# Altium PCB PCB1.PcbDoc
Units mm, origin at the board's own origin, x right, y up, seen from the top; angles counter-clockwise.
Board outline 94.61 x 50.93 mm, 2 copper layers (Top Layer, Bottom Layer); 65 components, 82 nets, 319 pads, 98 vias.
Unrouted connection lines stored in the file: 1.
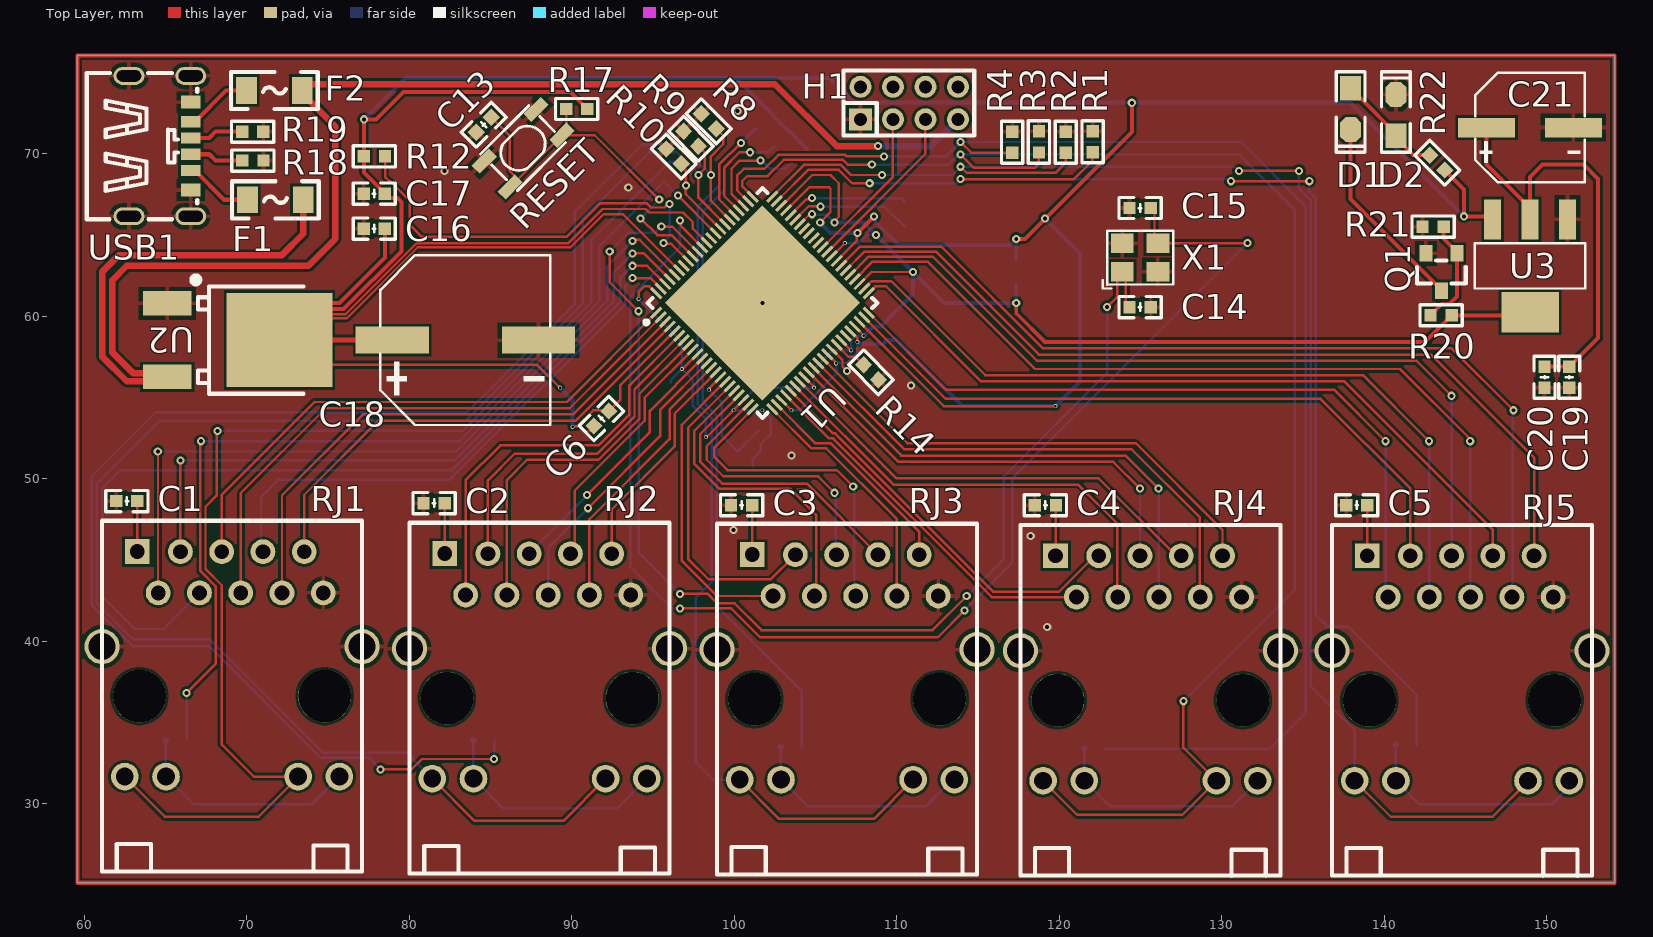
[diagram p0: Top Layer view]
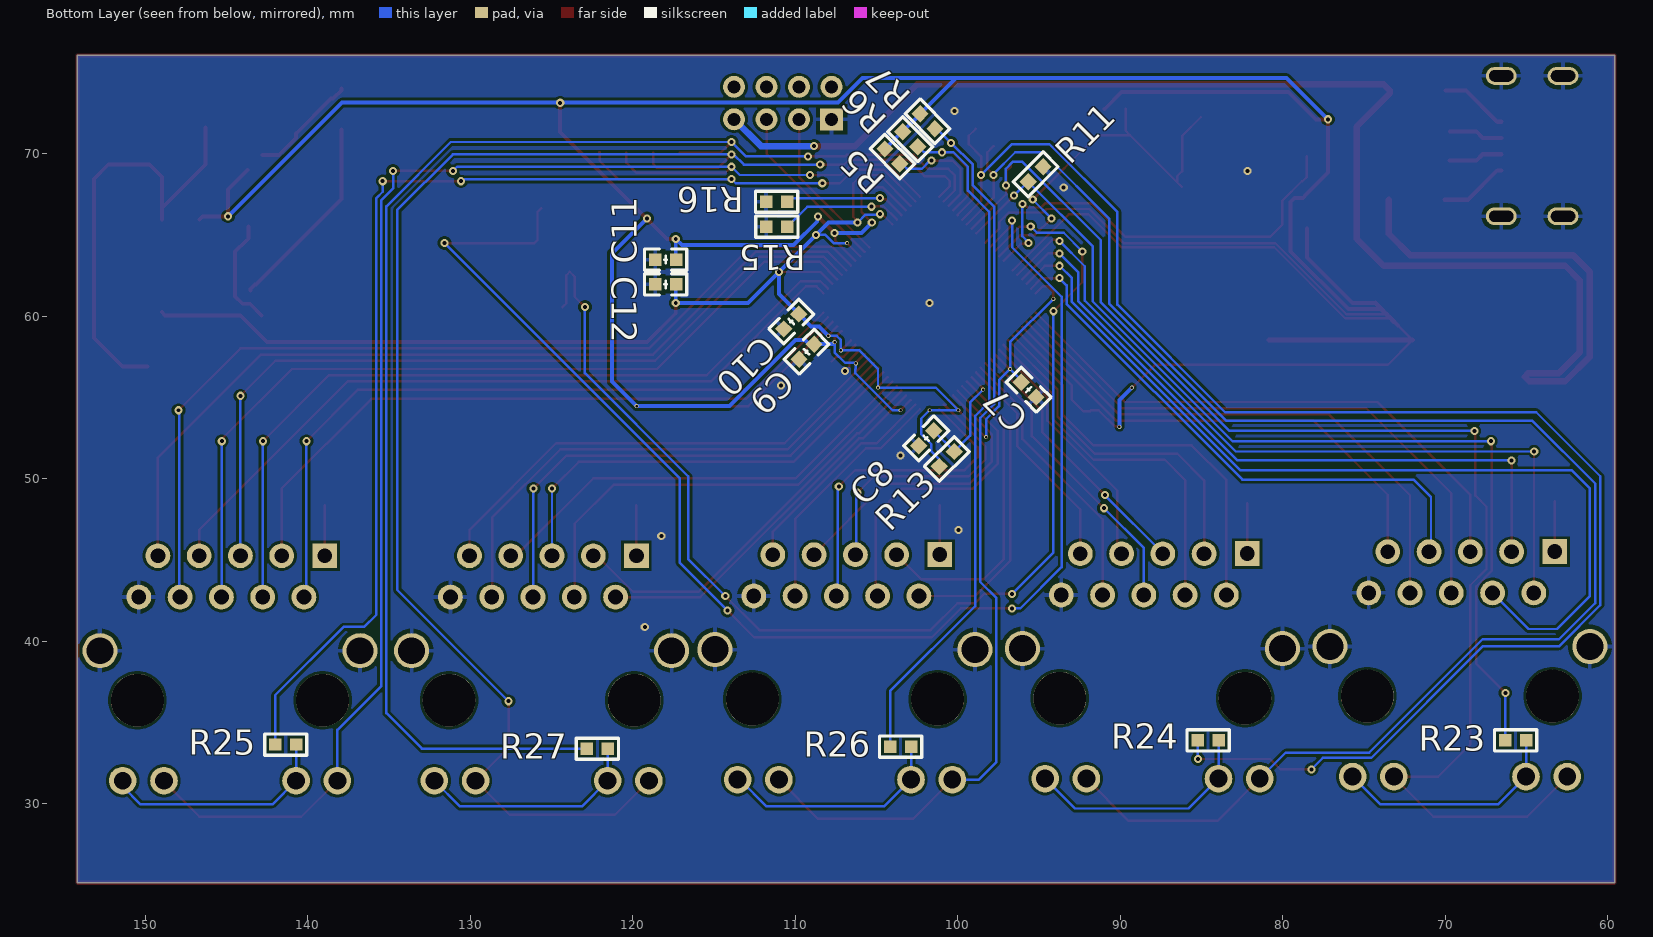
[diagram p1: Bottom Layer view, seen from below]
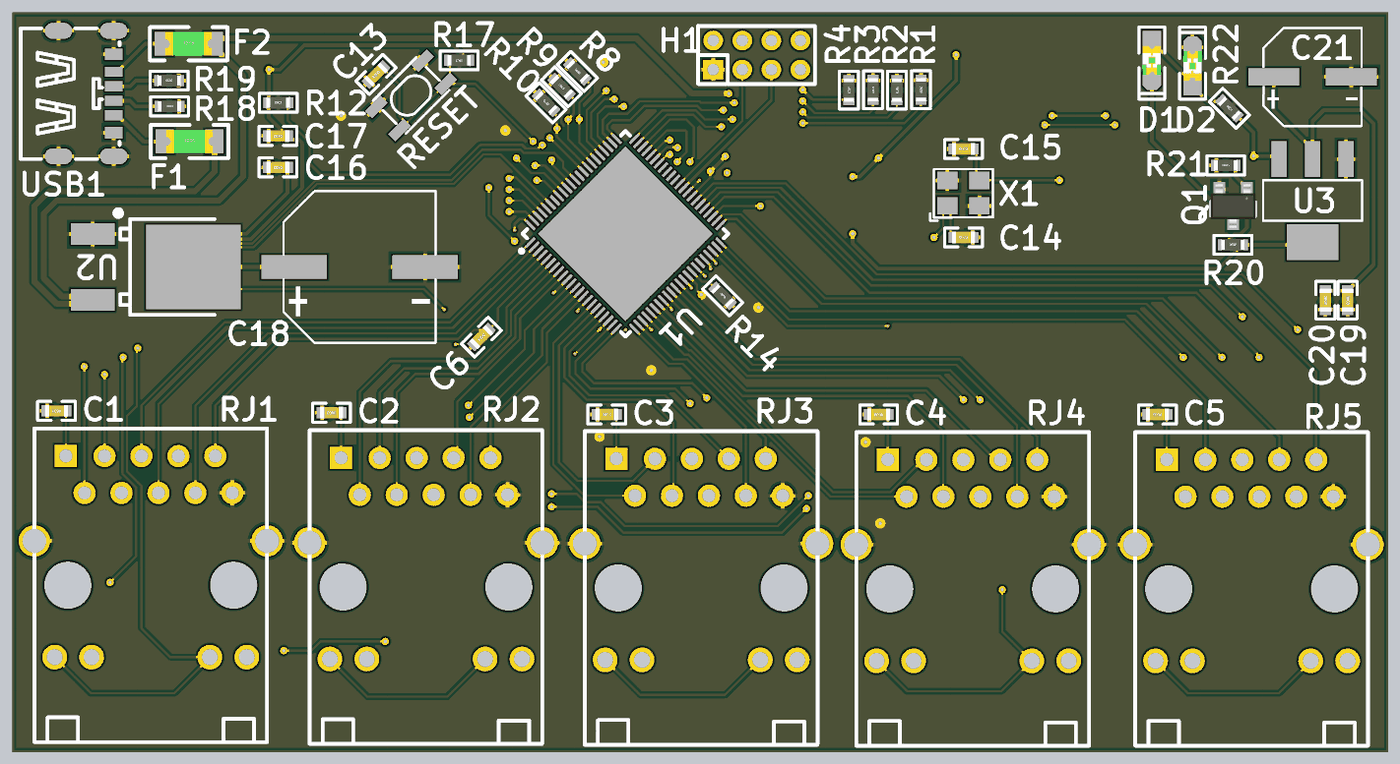
[diagram p2: 3D render of the assembled board from above, using the file's embedded part models]
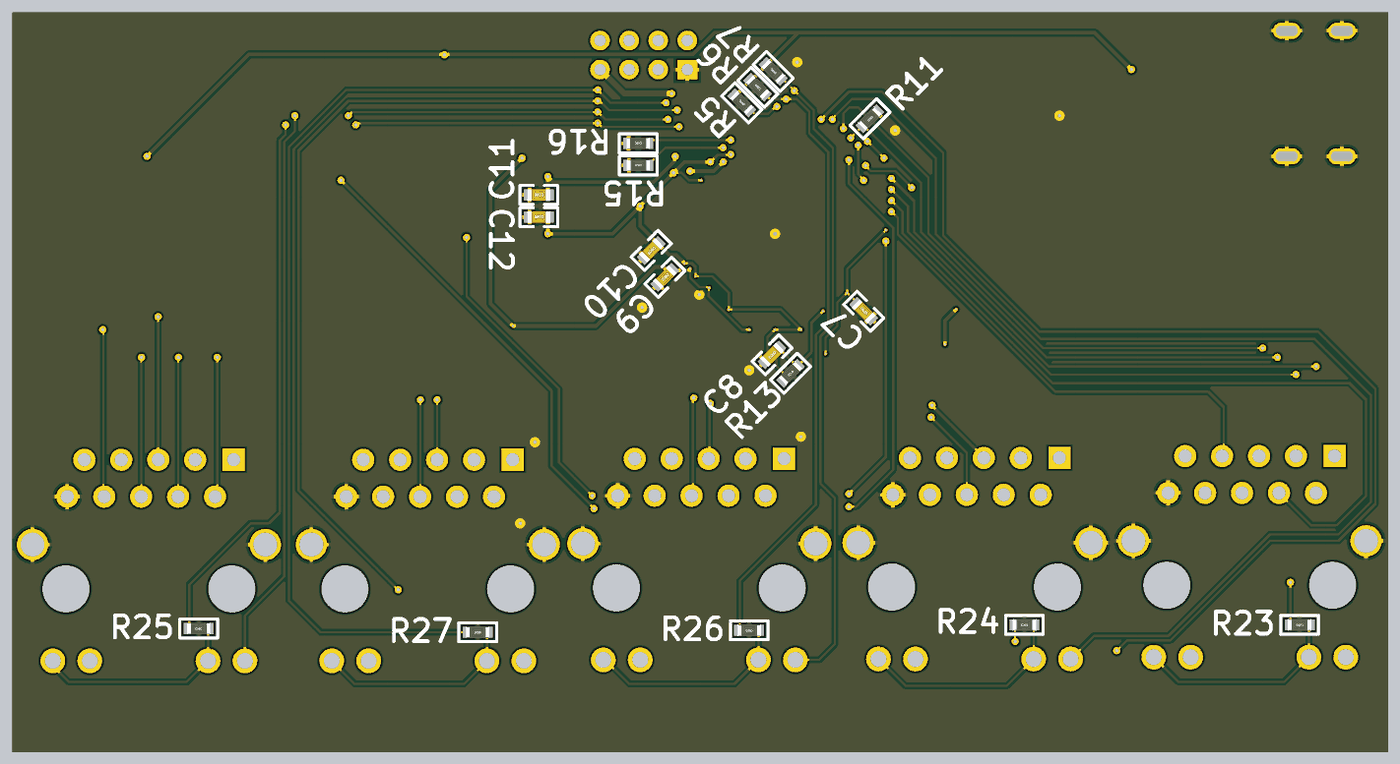
[diagram p3: 3D render of the assembled board from below, using the file's embedded part models]

## Layer stack, top to bottom
Top Solder: solder mask 0.0102, Solder Resist, Dk 3.5
Top Layer: signal copper 0.0356
Dielectric 1: dielectric 0.32, FR-4, Dk 4.8
Bottom Layer: signal copper 0.0356
Bottom Solder: solder mask 0.0102, Solder Resist, Dk 3.5

## Board outline
59.563,25.146 59.563,76.073 154.178,76.073 154.178,25.146

## Design rules (kind name [scope] priority, off if disabled: settings)
Clearance [All] p1: gap=0.16 ignorepadtopadclearanceinfootprint=FALSE
HoleToHoleClearance [All] p1: gap=0.1 allowstackedmicrovias=TRUE
MinimumSolderMaskSliver [All] p1: minsoldermaskwidth=0.01
PolygonConnect PolygonConnect_1 [All vs ISVIA] p1: connectstyle=Direct reliefconductorwidth=0.254 reliefentries=4 polygonreliefangle="90 Angle" airgapwidth=0.254
PolygonConnect [All] p2: connectstyle=Relief reliefconductorwidth=0.254 reliefentries=4 polygonreliefangle="90 Angle" airgapwidth=0.254
RoutingVias [All] p1: holewidth=0.315 width=0.605 viastyle="Through Hole" minholewidth=0.315 minwidth=0.605 maxholewidth=0.315 maxwidth=0.605
SilkToSilkClearance [All] p1: silktosilkclearance=0.01
SilkToSolderMaskClearance [IsPad] p1: minsilkscreentomaskgap=0.01 clearancetoexposedcopper=TRUE
SolderMaskExpansion [All] p1: expansion=0.102 istentingtop=FALSE
Width WidthVCC3V [InNet('VCC3V3')] p1: maxlimit=0.3 minlimit=0.15 preferedwidth=0.245
Width WidthVCC5V [InNet('VCC5V')] p2: maxlimit=0.4 minlimit=0.15 preferedwidth=0.245
26 further rules are at their usual default settings.

## Components (designator, comment, footprint, x,y, rotation, side; value= is the part's Value field where it differs from the comment)
C1 "C 0603_L" "C 0603_L" 62.611,48.641 r180 top value=10nF
C2 "C 0603_L" "C 0603_L" 81.519,48.514 r180 top value=10nF
C3 "C 0603_L" "C 0603_L" 100.442,48.387 r180 top value=10nF
C4 "C 0603_L" "C 0603_L" 119.141,48.387 r180 top value=10nF
C5 "C 0603_L" "C 0603_L" 138.303,48.387 r180 top value=10nF
C6 "C 0603_L" "C 0603_L" 91.821,53.721 r225 top value=100nF
C7 "C 0603_L" "C 0603_L" 95.631,55.499 r225 bottom value=100nF
C8 "C 0603_L" "C 0603_L" 101.933,52.499 r315 bottom value=100nF
C9 "C 0603_L" "C 0603_L" 109.299,57.833 r315 bottom value=100nF
C10 "C 0603_L" "C 0603_L" 110.236,59.69 r315 bottom value=100nF
C11 "C 0603_L" "C 0603_L" 117.968,63.5 r180 bottom value=100nF
C12 "C 0603_L" "C 0603_L" 117.968,61.976 r180 bottom value=100nF
C13 "C 0603_L" "C 0603_L" 84.578,71.803 r225 top value=100nF
C14 "C 0603_L" "C 0603_L" 124.968,60.579 r0 top value=18pF
C15 "C 0603_L" "C 0603_L" 124.968,66.675 r0 top value=18pF
C16 "C 0603_L" "C 0603_L" 77.836,65.405 r180 top value=100nF
C17 "C 0603_L" "C 0603_L" 77.836,67.564 r180 top value=10nF
C18 "SMD,10x10.2mm 220uF" CAP-SMD_BD10.0-L10.3-W10.3-LS11.0-FD 83.447,58.547 r0 top
C19 "C 0603_L" "C 0603_L" 151.384,56.261 r270 top value=100nF
C20 "C 0603_L" "C 0603_L" 149.86,56.261 r270 top value=10nF
C21 "SDM，6.3x5.4mm 100uF" CAP-SMD_BD6.3-L6.6-W6.6-LS7.2-FD 148.968,71.628 r0 top
D1 "805" "LED 0805G" 137.922,72.771 r270 top
D2 "805" "LED 0805G" 140.716,72.39 r90 top
F1 "1206" "FU 1206" 71.755,67.183 r0 top
F2 "1206" "FU 1206" 71.691,73.914 r0 top
H1 "2.45mm，2x4P" HDR-TH_8P-P2.00-V-M-R2-C4-S2.00-2 110.76,73.136 r0 top
Q1 "SOT-23 30V 5.2A" AO3400A 143.51,62.738 r90 top
R1 "603" "R 0603_L" 122.047,70.754 r270 top value=4.7K
R2 "603" "R 0603_L" 120.396,70.724 r270 top value=4.7K
R3 "603" "R 0603_L" 118.745,70.739 r270 top value=4.7K
R4 "603" "R 0603_L" 117.094,70.724 r270 top value=4.7K
R5 "603" "R 0603_L" 104.013,69.85 r225 bottom value=4.7K
R6 "603" "R 0603_L" 102.918,70.914 r225 bottom value=4.7K
R7 "603" "R 0603_L" 101.854,72.009 r225 bottom value=4.7K
R8 "603" "R 0603_L" 98.425,72.009 r315 top value=4.7K
R9 "603" "R 0603_L" 97.33,70.945 r315 top value=4.7K
R10 "603" "R 0603_L" 96.266,69.85 r315 top value=4.7K
R11 "603" "R 0603_L" 95.202,68.755 r315 bottom value=4.7K
R12 "603" "R 0603_L" 77.851,69.85 r0 top value=4.7K
R13 "603" "R 0603_L" 100.663,51.229 r315 bottom value=0R
R14 "603" "R 0603_L" 108.41,56.563 r315 top value=2.5K
R15 "603" "R 0603_L" 111.125,65.532 r180 bottom value=4.7K
R16 "603" "R 0603_L" 111.14,67.056 r180 bottom value=4.7K
R17 "603" "R 0603_L" 90.297,72.771 r180 top value=4.7K
R18 "603" "R 0603_L" 70.373,69.596 r0 top value=5.1K
R19 "603" "R 0603_L" 70.358,71.374 r0 top value=5.1K
R20 "603" "R 0603_L" 143.495,60.071 r0 top value=1K
R21 "603" "R 0603_L" 143.002,65.532 r0 top value=10K
R22 "603" "R 0603_L" 143.256,69.469 r315 top value=1K
R23 "603" "R 0603_L" 65.659,33.909 r0 bottom value=470R
R24 "603" "R 0603_L" 84.582,33.909 r0 bottom value=1K
R25 "603" "R 0603_L" 141.351,33.655 r0 bottom value=1K
R26 "603" "R 0603_L" 103.505,33.528 r0 bottom value=1K
R27 "603" "R 0603_L" 122.174,33.401 r0 bottom value=1K
RESET "SMD，3.3 x 4.2 x 2.5mm" SMD-3.2*4.2 86.995,70.358 r225 top
RJ1 "HR911130A" RJ45-TH_HR911130A 69.088,38.608 r180 top locked
RJ2 "HR911130A" RJ45-TH_HR911130A 88.011,38.481 r180 top locked
RJ3 "HR911130A" RJ45-TH_HR911130A 106.934,38.421 r180 top locked
RJ4 "HR911130A" RJ45-TH_HR911130A 125.603,38.354 r180 top locked
RJ5 "HR911130A" RJ45-TH_HR911130A 144.78,38.354 r180 top locked
U1 "RTL8367N-VB-CG" MQFN-88_L10.0-W10.0-P0.40-BL-EP8.5 101.727,60.833 r315 top
U2 "UZ1084G-3.3V-TN3-R" TO-252-3_L6.5-W5.8-P4.58-TL 68.552,58.547 r0 top
U3 "AP7361-10ER-13" SOT-223_L6.5-W3.5-P2.30-LS7.0-BR 148.971,63.119 r90 top
USB1 "SMD" TYPE-C-SMD_TYPE-C-6P 64.643,70.485 r270 top
X1 "SMD3225-4P 25Mhz" OSC-SMD_4P-L3.2-W2.5-BL 124.968,63.627 r0 top

## Footprints (in the part's own frame and the unit in brackets; to place one, negate y for a bottom-side part, rotate by r counter-clockwise, add the part's x,y. Pads: shape width x height; smd on the part's side, far side on the other; paste and mask are expansions set on the pad)
AO3400A [mm] "SOT-23_L2.9-W1.3-P1.90-LS2.4-BR"
  rect 1x0.8 smd mask+0.051: 1(1.15,-0.95) 2(1.15,0.95) 3(-1.15,0)
  silkscreen extent -0.7,-1.5 0.7,1.5, body extent -1.5,-1.55 1.5,1.55, height 1.25
"C 0603_L" [mil] "无极性贴片电容                                       淘宝ID:黄晶宝石"
  rect 30x30 smd: 1(-25.59,0) 2(25.59,0)
  silkscreen extent -51,-26 51,26, body extent -31,-16 31,16, height 32
CAP-SMD_BD6.3-L6.6-W6.6-LS7.2-FD [mm]
  rect 3.5x1.2 smd: 1(-2.67,0) 2(2.67,0)
  silkscreen extent -3.38,-3.38 3.38,3.38
CAP-SMD_BD10.0-L10.3-W10.3-LS11.0-FD [mm]
  rect 4.5x1.65 smd: 1(-4.5,0) 2(4.5,0)
  silkscreen extent -5.23,-5.23 5.23,5.23
"FU 1206" [mil] "贴片保险丝"
  rect 50x65 smd: 1(-67.5,0) 2(67.5,0)
  silkscreen extent -105,-45 105,45, body extent -63,-32 63,32, height 34
HDR-TH_8P-P2.00-V-M-R2-C4-S2.00-2 [mm]
  rect 1.4x1.35 hole 0.8: 1(-3,-1)
  round 1.35 hole 0.8: 2(-3,1) 3(-1,-1) 4(-1,1) 5(1,-1) 6(1,1) 7(3,-1) 8(3,1)
  silkscreen extent -4.04,-2 4,2.01
"LED 0805G" [mil] "绿色0805LED                              淘宝ID:黄晶宝石"
  rect 60x50 smd: 1(-50,0)
  oct 60x50 smd: 2(50,0)
  silkscreen extent -90,-35 105,35, body extent -39,-25 39,25, height 26
MQFN-88_L10.0-W10.0-P0.40-BL-EP8.5 [mm]
  rect 0.2x0.9 smd: 1(-4.2,-5.05) 2(-3.8,-5.05) 3(-3.4,-5.05) 4(-3,-5.05) 5(-2.6,-5.05) 6(-2.2,-5.05) 7(-1.8,-5.05) 8(-1.4,-5.05) 9(-1,-5.05) 10(-0.6,-5.05) 11(-0.2,-5.05) 12(0.2,-5.05) 13(0.6,-5.05) 14(1,-5.05) 15(1.4,-5.05) 16(1.8,-5.05) 17(2.2,-5.05) 18(2.6,-5.05) 19(3,-5.05) 20(3.4,-5.05) 21(3.8,-5.05) 22(4.2,-5.05) 45(4.2,5.05) 46(3.8,5.05) 47(3.4,5.05) 48(3,5.05) 49(2.6,5.05) 50(2.2,5.05) 51(1.8,5.05) 52(1.4,5.05) 53(1,5.05) 54(0.6,5.05) 55(0.2,5.05) 56(-0.2,5.05) 57(-0.6,5.05) 58(-1,5.05) 59(-1.4,5.05) 60(-1.8,5.05) 61(-2.2,5.05) 62(-2.6,5.05) 63(-3,5.05) 64(-3.4,5.05) 65(-3.8,5.05) 66(-4.2,5.05)
  rect 0.9x0.2 smd: 23(5.05,-4.2) 24(5.05,-3.8) 25(5.05,-3.4) 26(5.05,-3) 27(5.05,-2.6) 28(5.05,-2.2) 29(5.05,-1.8) 30(5.05,-1.4) 31(5.05,-1) 32(5.05,-0.6) 33(5.05,-0.2) 34(5.05,0.2) 35(5.05,0.6) 36(5.05,1) 37(5.05,1.4) 38(5.05,1.8) 39(5.05,2.2) 40(5.05,2.6) 41(5.05,3) 42(5.05,3.4) 43(5.05,3.8) 44(5.05,4.2) 67(-5.05,4.2) 68(-5.05,3.8) 69(-5.05,3.4) 70(-5.05,3) 71(-5.05,2.6) 72(-5.05,2.2) 73(-5.05,1.8) 74(-5.05,1.4) 75(-5.05,1) 76(-5.05,0.6) 77(-5.05,0.2) 78(-5.05,-0.2) 79(-5.05,-0.6) 80(-5.05,-1) 81(-5.05,-1.4) 82(-5.05,-1.8) 83(-5.05,-2.2) 84(-5.05,-2.6) 85(-5.05,-3) 86(-5.05,-3.4) 87(-5.05,-3.8) 88(-5.05,-4.2)
  rect 8.5x8.5 smd: 89(0,0)
  silkscreen extent -5,-6.02 5,5
OSC-SMD_4P-L3.2-W2.5-BL [mm]
  rect 1.4x1.2 smd: 1(-1.1,-0.875) 2(1.1,-0.875) 3(1.1,0.875) 4(-1.1,0.875)
  silkscreen extent -2.29,-1.9 2.03,1.65
"R 0603_L" [mil] "1/10W贴片电阻                 淘宝ID:黄晶宝石"
  rect 30x30 smd: 1(-25.59,0) 2(25.59,0)
  silkscreen extent -51,-26 51,26, body extent -31,-16 32,16, height 16
RJ45-TH_HR911130A [mil]
  round 66.93 hole 43.31: 11(260,272.62) 12(160,272.62) 13(-160,272.62) 14(-260,272.62)
  rect 60x60 hole 35.83: P1(229.63,-272.62)
  round 60 hole 35.83: P2(179.1,-172.38) P3(125.2,-272.38) P4(79.1,-172.38) P5(25.2,-272.38) P6(-20.9,-172.38) P7(-74.8,-272.38) P8(-120.9,-172.38) P9(-174.8,-272.38) P10(-220.9,-172.38)
  round 85 hole 65: SHIELD0(-315,-42.48) SHIELD1(315,-42.48)
  round 127.95 hole 127.95 unplated: ""(-224.4,77.62) ""(224.4,77.62)
  silkscreen extent -315,-347 315,503
SMD-3.2*4.2 [mm]
  rect 1.5x0.7 smd: 1(-2.25,1.125) 1(2.25,1.125) 2(-2.25,-1.125) 2(2.25,-1.125)
  silkscreen extent -2.1,-1.6 2.1,1.6, body extent -2.73,-1.6 2.47,1.58, height 1.8
SOT-223_L6.5-W3.5-P2.30-LS7.0-BR [mm]
  rect 2.465x1.05 smd: 1(2.857,-2.3) 2(2.857,0) 3(2.857,2.3)
  rect 2.465x3.54 smd: 4(-2.857,0)
  silkscreen extent -1.4,-3.4 1.4,3.4
TO-252-3_L6.5-W5.8-P4.58-TL [mm]
  rect 3x1.5 smd: 1(-3.457,2.26) 3(-3.457,-2.26)
  rect 6.5x5.8 smd: 2(3.457,0)
  silkscreen extent -1.9,-3.3 4.92,3.91
TYPE-C-SMD_TYPE-C-6P [mm]
  oval 1.1x1.9 hole 0.7 slot 1.5 at 90 deg: 7(-4.32,-1.9) 7(-4.32,1.9) 7(4.32,-1.9) 7(4.32,1.9)
  rect 0.7x1.2 smd: A5(-0.5,1.9) A9(1.5,1.9) B5(0.5,1.9) B9(-1.5,1.9)
  rect 0.8x1.2 smd: A12(2.7,1.9) B12(-2.7,1.9)
  silkscreen extent -4.5,-4.5 4.5,2.3

## Part data
C1 C2 C3 C4 C5 C6 C7 C8 C9 C10 C11 C12 C13 C14 C15 C16 C17 C19 C20: "贴片电容器（Capacitor）", LatestRevisionDate=17-Jul-2002, LatestRevisionNote="Re-released for DXP Platform.", PackageDescription="Radial Cap, Thru-Hole; 2 Leads; 0.3 in Pin Spacing", PackageReference=RAD-0.3, Published=8-Jun-2000, Publisher="Altium Limited"
C18: library part RVT220UF50V67RV0021, "贴片铝电解电容器（Capacitor）", BOM_JLCPCB Part Class="Extended Part", BOM_Manufacturer=KNSCHA(科尼盛), BOM_Manufacturer Part=RVT220UF50V67RV0021, BOM_Supplier=LCSC, BOM_Supplier Part=C2887271, Contributor=LCSC, nameAlias=Capacitance, spicePre=C, spiceSymbolName=RVT220UF50V67RV0021
C21: library part RVT100UF16V67RV0016, "贴片铝电解电容器（Capacitor）", BOM_JLCPCB Part Class="Extended Part", BOM_Manufacturer=KNSCHA(科尼盛), BOM_Manufacturer Part=RVT100UF16V67RV0016, BOM_Supplier=LCSC, BOM_Supplier Part=C2887276, Contributor=LCSC, nameAlias=Capacitance, spicePre=C, spiceSymbolName=RVT100UF16V67RV0016
D1 D2: library part "LED 0805G 绿", "贴片发光二极管（LED）", LatestRevisionDate=08-Jul-2005, LatestRevisionNote="Mech Layer 1 removed.", PackageDescription="LED; 2 Leads", PackageReference=LED-0, Published=8-Jun-2000, Publisher="Altium Limited"
F1 F2: library part nsmd150, "自恢复保险丝（Fuse）", LatestRevisionDate=17-Jul-2002, LatestRevisionNote="Re-released for DXP Platform.", PackageDescription="Axial Device, Thru-Hole; 2 Leads; 0.3 in Pin Spacing", PackageReference=AXIAL-0.3, Published=8-Jun-2000, Publisher="Altium Limited"
H1: library part PH-01519, "排针（Pin Jack）", BOM_JLCPCB Part Class="Extended Part", BOM_Manufacturer=Liansheng(连盛), BOM_Manufacturer Part=PH-01519, BOM_Supplier=LCSC, BOM_Supplier Part=C2827500, Contributor=LCSC, spicePre=H, spiceSymbolName=PH-01519
Q1: library part AO3400A, "场效应管（MOSFET）", Continuous Drain Current (Id)=300mA, Drain Source On Resistance (RDS(on)@Vgs,Id)=5Ω@10V,500mA, Drain Source Voltage (Vdss)=60V, Gate Threshold Voltage (Vgs(th)@Id)=2.5V@250A, JLCPCB Part Class="Extended Part", LCSC Part Name="N沟道 60V 300mA", Manufacturer=Nexperia(安世), Manufacturer Part=2N7002,215, Power Dissipation (Pd)=830mW, Add into BOM=yes, Convert to PCB=yes, Datasheet=https://atta.szlcsc.com/upload/public/pdf/source/20170103/1483439882638.pdf, Device=2N7002,215, Supplier=LCSC, Supplier Footprint=SOT-23(SOT-23-3), Supplier Part=C65189, Symbol=2N7002,215, Type=N沟道
R1 R2 R3 R4 R5 R6 R7 R8 R9 R10 R11 R12 R13 R14 R15 R16 R17 R18 R19 R20 R21 R22 R23 R24 R25 R26 R27: library part "R 0603_L", "贴片电阻（Resistor）", LatestRevisionDate=17-Jul-2002, LatestRevisionNote="Re-released for DXP Platform.", PackageDescription="Axial Device, Thru-Hole; 2 Leads; 0.4 in Pin Spacing", PackageReference=AXIAL-0.4, Published=8-Jun-2000, Publisher="Altium Limited"
RESET: library part 260GF, "轻触开关（Touch Switch）", LatestRevisionDate=17-Jul-2002, LatestRevisionNote="Re-released for DXP Platform.", PackageDescription="Switch; 2 Leads", PackageReference=SPST-2, Published=24-Mar-1999, Publisher="Altium Limited"
RJ1 RJ2 RJ3 RJ4 RJ5: "单插带灯以太网接口（RJ45）", BOM_JLCPCB Part Class="Extended Part", BOM_Manufacturer=HANRUN, BOM_Manufacturer Part=HR911130A, BOM_Supplier=LCSC, BOM_Supplier Part=C54408, spicePre=R, spiceSymbolName=HR911130A
U1: "以太网芯片（Network）", BOM_JLCPCB Part Class="Extended Part", BOM_Manufacturer=REALTEK(瑞昱), BOM_Manufacturer Part=RTL8367N-VB-CG, BOM_Supplier=LCSC, BOM_Supplier Part=C2760851, Contributor=LCSC, spicePre=U, spiceSymbolName=RTL8367N-VB-CG
U2: "线性稳压器（LDO）", BOM_JLCPCB Part Class="Extended Part", BOM_Manufacturer=UTC, BOM_Manufacturer Part=UZ1084G-3.3V-TN3-R, BOM_Supplier=LCSC, BOM_Supplier Part=C84897, spicePre=U, spiceSymbolName=UZ1084G-3.3V-TN3-R
U3: "线性稳压器（LDO）", BOM_JLCPCB Part Class="Extended Part", BOM_Manufacturer="Diodes Incorporated", BOM_Manufacturer Part=AP7361-10ER-13, BOM_Supplier=LCSC, BOM_Supplier Part=C460389, Contributor=LCSC, spicePre=U, spiceSymbolName=AP7361-10ER-13
USB1: library part "TYPE-C 6P QT", "通用通信总线接口（USB）", BOM_JLCPCB Part Class="Extended Part", BOM_Manufacturer="SHOU HAN", BOM_Manufacturer Part="TYPE-C 6P", BOM_Supplier=LCSC, BOM_Supplier Part=C456012, Contributor=LCSC, spicePre=U, spiceSymbolName="TYPE-C 6P"
X1: library part XXCEELNANF-25MHZ, "无源晶振（Crystal）", BOM_JLCPCB Part Class="Extended Part", BOM_Manufacturer="TAITIEN Elec", BOM_Manufacturer Part=XXCEELNANF-25MHZ, BOM_Supplier=LCSC, BOM_Supplier Part=C117869, Contributor=LCSC, nameAlias=Frequency, spicePre=X, spiceSymbolName=XXCEELNANF-25MHZ

## Via types
v1: diameter 0.5, hole 0.245, Top Layer to Bottom Layer, 82 vias
v2: diameter 0.245, hole 0.15, Top Layer to Bottom Layer, 16 vias

## Nets (pads, with @x,y where several pads share a name; then routed paths per layer and width w, separated by ;. In a path a pad name is that pad's centre, name@x,y a point inside that pad or via, vN(x,y) a via of type N, cw(c..) or ccw(c..) an arc to the next point about the centre after c; other vN are vias at no path point)
GND: C1.2 C2.2 C3.2 C4.2 C5.2 C6.2 C7.2 C8.2 C9.2 C10.2 C11.1 C12.1 C13.2 C14.2 C15.1 C16.2 C17.2 C18.2 C19.2 C20.2 C21.2 D2.2 H1.1 Q1.2 R1.1 R2.1 R3.1 R4.1 R8.1 R9.1 R10.1 R11.1 R14.2 R15.1 R16.1 R18.2 R19.2 R21.1 RESET.2 RJ1.P10 RJ1.SHIELD0 RJ1.SHIELD1 RJ2.P10 RJ2.SHIELD0 RJ2.SHIELD1 RJ3.P10 RJ3.SHIELD0 RJ3.SHIELD1 RJ4.P10 RJ4.SHIELD0 RJ4.SHIELD1 RJ5.P10 RJ5.SHIELD0 RJ5.SHIELD1 U1.36 U1.89 U2.1 U3.1 USB1.7 USB1.A12 USB1.B12 X1.2 X1.4 | length 1.7
  Top Layer w0.15: U1.36 106.656,57.318 106.656,56.919 v1(106.934,56.642)
  other v1: 119.253,40.894 118.237,46.482 99.949,46.863 103.505,51.435 110.871,55.753 101.727,60.833 93.472,67.945 82.169,68.961 100.203,72.644
NetC1_1: C1.1 RJ1.P1 | length 3.1
  Top Layer w0.15: RJ1.P1 63.255,48.635 C1.1
NetC2_1: C2.1 RJ2.P1 | length 3.1
  Top Layer w0.15: C2.1 82.178,48.505 RJ2.P1
NetC3_1: C3.1 RJ3.P1 | length 3
  Top Layer w0.15: C3.1 101.101,48.378 RJ3.P1
NetC4_1: C4.1 RJ4.P1 | length 3.1
  Top Layer w0.15: RJ4.P1 119.77,48.366 C4.1
NetC5_1: C5.1 RJ5.P1 | length 3.1
  Top Layer w0.15: RJ5.P1 138.947,48.381 C5.1
NetC8_1: C8.1 R13.1 U1.15 | length 7.4
  Top Layer w0.15: v2(98.425,55.499) 98.443,55.517 98.443,55.569 U1.15
  Bottom Layer w0.15: v2(98.425,55.499) 99.228,54.696 99.228,52.664 R13.1 C8.1
NetD1_1: D1.1 D2.1 R22.1 | length 6.8
  Top Layer w0.245: D1.1 137.922,73.914 138.434,73.402 138.561,73.402 140.716,71.247 D2.1 140.716,70.993 141.78,69.929 R22.1
NetD1_2: D1.2 Q1.3 | length 12.3
  Top Layer w0.245: D1.2 137.922,67.226 143.183,61.965 143.232,61.965 143.51,61.688 Q1.3
NetF1_1: F1.1 USB1.A9 | length 4.2
  Top Layer w0.254: USB1.A9 66.793,68.985 68.595,67.183 F1.1
NetF2_1: F2.1 USB1.B9 | length 4.2
  Top Layer w0.254: USB1.B9 66.793,71.985 68.722,73.914 F2.1
NetQ1_1: Q1.1 R20.1 R21.2 | length 6.7
  Top Layer w0.245: R20.1 143.558,60.784 144.005,60.784 144.46,61.239 Q1.1 144.46,63.988 143.838,64.61 143.825,64.61 143.652,64.783 R21.2
NetR5_2: R5.2 U1.69 | length 6.9
  Top Layer w0.15: U1.69 99.822,67.547 99.822,69.092 100.326,69.596 v1(101.6,69.596)
  Bottom Layer w0.15: v1(101.6,69.596) 101.695,69.596 102.203,69.088 103.123,69.088 103.425,69.39 R5.2
NetR12_2: R12.2 U1.81 | length 26.8
  Top Layer w0.15: R12.2 78.501,68.595 78.777,68.319 78.826,68.319 80.01,67.134 80.01,65.659 80.772,64.897 89.662,64.897 91.694,66.929 91.764,66.929 91.797,66.962 94.615,66.962 94.869,66.708 95.696,66.708 95.917,66.929 v1(96.012,66.929) ; v1(95.631,64.516) 95.672,64.475 96.106,64.475 U1.81
  Bottom Layer w0.15: v1(95.631,64.516) 95.631,64.56 96.012,64.941 v1(96.012,66.929)
NetR14_1: R14.1 U1.37 | length 1.9
  Top Layer w0.15: U1.37 107.009,57.531 107.442,57.531 R14.1@107.744,57.229
NetR15_2: R15.2 U1.61 | length 7.6
  Top Layer w0.15: U1.61 104.57,66.787 105.272,66.787 v1(105.303,66.756)
  Bottom Layer w0.15: v1(105.303,66.756) 109.251,66.756 R15.2
NetR16_2: R16.2 U1.62 | length 7.6
  Top Layer w0.15: U1.62 104.438,67.22 104.708,67.22 v1(104.775,67.287)
  Bottom Layer w0.15: v1(104.775,67.287) 110.259,67.287 R16.2
NetR18_1: R18.1 USB1.B5 | length 3.3
  Top Layer w0.254: USB1.B5 67.683,69.985 68.072,69.596 R18.1
NetR19_1: R19.1 USB1.A5 | length 3.3
  Top Layer w0.254: USB1.A5 67.683,70.985 68.072,71.374 R19.1
NetR23_1: R23.1 RJ1.12 RJ1.14 | length 14.3
  Bottom Layer w0.15: RJ1.12@65.016,31.691 R23.1@65.016,33.902 ; RJ1.12 66.735,29.972 73.981,29.972 RJ1.14
  Bottom Layer w0.4: R23.1 R23.1@65.016,33.902 ; RJ1.12@65.016,31.691 RJ1.12
NetR24_1: R24.1 RJ2.12 RJ2.14 | length 14.5
  Bottom Layer w0.15: RJ2.12@83.939,31.564 R24.1@83.939,33.902 ; RJ2.12 85.785,29.718 92.777,29.718 RJ2.14
  Bottom Layer w0.4: R24.1 R24.1@83.939,33.902 ; RJ2.12@83.939,31.564 RJ2.12
NetR25_1: R25.1 RJ5.12 RJ5.14 | length 14.3
  Bottom Layer w0.15: RJ5.12@140.708,31.437 R25.1@140.708,33.648 ; RJ5.12 142.173,29.972 150.278,29.972 RJ5.14@151.384,31.078
  Bottom Layer w0.4: R25.1 R25.1@140.708,33.648 ; RJ5.12@140.708,31.437 RJ5.12 ; RJ5.14@151.384,31.078 RJ5.14
NetR26_1: R26.1 RJ3.12 RJ3.14 | length 14.1
  Bottom Layer w0.15: RJ3.12@102.862,31.504 R26.1@102.862,33.521 ; RJ3.12 104.521,29.845 111.76,29.845 RJ3.14@113.411,31.496
  Bottom Layer w0.4: R26.1 R26.1@102.862,33.521 ; RJ3.12@102.862,31.504 RJ3.12 ; RJ3.14@113.411,31.496 RJ3.14
NetR27_1: R27.1 RJ4.12 RJ4.14 | length 14
  Bottom Layer w0.15: RJ4.12@121.531,31.437 R27.1@121.531,33.394 ; RJ4.12 123.123,29.845 130.623,29.845 RJ4.14
  Bottom Layer w0.4: R27.1 R27.1@121.531,33.394 ; RJ4.12@121.531,31.437 RJ4.12
PHY0_LED_0: R11.2 R23.2 U1.75 | length 61.2
  Top Layer w0.15: v1(66.294,36.83) 68.076,38.612 68.076,43.399 67.141,44.334 67.141,52.282 v1(67.183,52.324) ; v1(96.52,67.437) 96.529,67.437 98.855,65.111 U1.75
  Bottom Layer w0.15: v1(66.294,36.83) 66.294,33.924 R23.2 ; v1(67.183,52.324) 83.082,52.324 91.694,60.936 91.694,64.328 R11.2 v1(96.52,67.437)
PHY0_LED_1: R10.2 RJ1.11 RJ1.13 U1.74 | length 82.4
  Top Layer w0.15: RJ1.11 64.957,29.21 70.722,29.21 RJ1.13@73.152,31.64 ; v1(68.199,52.959) 68.138,52.898 68.138,48.976 67.451,48.289 67.451,44.463 68.453,43.461 68.453,33.655 70.425,31.683 RJ1.13 ; R10.2 96.726,69.217 97.005,68.937 97.005,67.535 U1.74
  Top Layer w0.4: RJ1.13@73.152,31.64 RJ1.13
  Bottom Layer w0.15: v1(68.199,52.959) 83.279,52.959 91.186,60.866 91.186,64.692 96.028,69.534 96.582,69.534 97.028,69.088 v1(97.028,68.072)
PHY0_MDIA_N: RJ1.P3 U1.85 | length 42.7
  Top Layer w0.15: RJ1.P3 65.91,45.529 65.91,51.139 v1(65.913,51.142) ; v1(93.726,63.881) 94.437,63.881 U1.85
  Bottom Layer w0.15: v1(65.913,51.142) 82.777,51.142 92.583,60.948 92.583,62.738 v1(93.726,63.881)
PHY0_MDIA_P: RJ1.P2 U1.84 | length 48
  Top Layer w0.15: v1(64.516,51.689) 64.527,51.678 64.527,42.998 RJ1.P2 ; v1(93.726,64.643) 93.793,64.71 94.174,64.71 U1.84
  Bottom Layer w0.15: v1(64.516,51.689) 82.886,51.689 92.173,60.977 92.173,63.09 v1(93.726,64.643)
PHY0_MDIB_N: RJ1.P7 U1.87 | length 34.5
  Top Layer w0.15: v1(93.726,62.357) 94.32,62.357 94.32,62.358 94.829,62.358 U1.87
  Bottom Layer w0.15: RJ1.P7 70.866,45.648 70.866,48.895 71.935,49.964 82.476,49.964 93.289,60.777 93.289,61.911 93.726,62.348 v1(93.726,62.357)
PHY0_MDIB_P: RJ1.P4 U1.86 | length 56
  Top Layer w0.15: v1(93.726,63.119) 94.634,63.119 U1.86
  Bottom Layer w0.15: RJ1.P4 64.859,40.767 63.119,40.767 61.087,42.799 61.087,49.403 62.23,50.546 82.62,50.546 92.964,60.89 92.964,62.357 v1(93.726,63.119)
PHY0_MDIC_N: RJ1.P6 U1.2 | length 36.5
  Top Layer w0.15: RJ1.P6 69.619,49.126 74.849,54.356 89.871,54.356 92.535,57.02 92.541,57.02 U1.2
PHY0_MDIC_P: RJ1.P5 U1.1 | length 34.9
  Top Layer w0.15: RJ1.P5 68.448,49.017 74.168,54.737 89.692,54.737 U1.1
PHY0_MDID_N: RJ1.P9 U1.4 | length 30.3
  Top Layer w0.15: RJ1.P9 73.528,49.027 78.095,53.594 90.246,53.594 U1.4
PHY0_MDID_P: RJ1.P8 U1.3 | length 34
  Top Layer w0.15: RJ1.P8 72.159,48.999 77.135,53.975 90.061,53.975 U1.3
PHY1_LED_0: R8.2 R24.2 U1.72 | length 95.6
  Top Layer w0.15: v1(78.232,32.131) 80.137,32.131 80.772,32.766 v1(85.217,32.766) ; R8.2 99.314,71.12 99.314,70.612 98.552,69.85 v1(98.552,68.707) 98.552,67.12 U1.72
  Bottom Layer w0.15: v1(78.232,32.131) 77.526,32.837 74.548,32.837 67.691,39.694 62.992,39.694 60.452,42.234 60.452,50.165 64.389,54.102 83.545,54.102 90.17,60.727 90.17,66.421 94.361,70.612 96.647,70.612 v1(98.552,68.707) ; v1(85.217,32.766) 85.217,33.894 R24.2
PHY1_LED_1: R9.2 RJ2.11 RJ2.13 U1.73 | length 100.2
  Top Layer w0.15: RJ2.11 84.007,28.956 89.475,28.956 RJ2.13 ; R9.2 98.171,70.104 98.171,69.088 v1(97.79,68.707) 97.79,67.316 U1.73
  Bottom Layer w0.15: RJ2.11 79.816,33.147 74.676,33.147 67.691,40.132 62.992,40.132 60.762,42.362 60.762,49.713 64.643,53.594 83.476,53.594 90.678,60.796 90.678,66.022 94.76,70.104 96.45,70.104 97.79,68.764 v1(97.79,68.707)
PHY1_MDIA_N: RJ2.P3 U1.7 | length 21.1
  Top Layer w0.15: RJ2.P3 84.831,49.398 84.836,49.403 84.836,49.911 86.487,51.562 91.567,51.562 93.853,53.848 93.853,55.504 U1.7
PHY1_MDIA_P: RJ2.P2 U1.6 | length 24.9
  Top Layer w0.15: RJ2.P2 83.462,49.934 85.598,52.07 91.637,52.07 93.543,53.976 93.543,55.76 U1.6
PHY1_MDIB_N: RJ2.P7 U1.9 | length 15.7
  Top Layer w0.15: RJ2.P7 90.17,45.659 90.17,49.276 94.488,53.594 94.488,55.008 U1.9
PHY1_MDIB_P: RJ2.P4 U1.8 | length 22.6
  Top Layer w0.15: RJ2.P4 86.002,49.934 87.249,51.181 91.637,51.181 94.163,53.707 94.163,55.248 U1.8
PHY1_MDIC_N: RJ2.P6 U1.12 | length 18.3
  Top Layer w0.15: v1(90.998,48.199) 95.433,52.634 95.433,54.255 U1.12
  Bottom Layer w0.15: RJ2.P6 88.542,45.743 v1(90.998,48.199)
PHY1_MDIC_P: RJ2.P5 U1.11 | length 16.4
  Top Layer w0.15: v1(90.932,49.022) 94.798,52.888 94.798,54.186 U1.11
  Bottom Layer w0.15: RJ2.P5 87.371,45.43 90.932,48.991 v1(90.932,49.022)
PHY1_MDID_N: RJ2.P9 U1.14 | length 13.8
  Top Layer w0.15: RJ2.P9 92.451,48.128 96.322,51.999 96.322,54.013 U1.14
PHY1_MDID_P: RJ2.P8 U1.13 | length 17.1
  Top Layer w0.15: RJ2.P8 91.082,47.521 96.012,52.451 96.012,54.269 U1.13
PHY2_LED_0: R6.2 R26.2 U1.70 | length 47.3
  Top Layer w0.15: U1.70 99.37,67.433 99.37,69.144 100.33,70.104 v1(100.965,70.104)
  Bottom Layer w0.15: R6.2 102.427,70.455 102.077,70.104 v1(100.965,70.104) 100.26,70.104 99.37,69.214 99.37,67.747 98.068,66.445 98.068,54.737 98.918,53.887 98.918,42.179 104.155,36.942 R26.2
PHY2_LED_1: R7.2 RJ3.11 RJ3.13 U1.71 | length 62.5
  Top Layer w0.15: U1.71 99.995,66.278 99.06,67.213 99.06,69.342 v1(100.405,70.687) ; RJ3.11 102.743,29.083 108.585,29.083 RJ3.13
  Bottom Layer w0.15: RJ3.11 98.696,31.496 97.618,32.573 97.618,42.671 98.608,43.66 98.608,53.758 97.758,54.609 97.758,66.77 99.06,68.072 99.06,69.342 v1(100.405,70.687) 101.267,71.549 R7.2
PHY2_MDIA_N: RJ3.P3 U1.17 | length 19.4
  Top Layer w0.15: U1.17 97.155,53.149 97.155,45.085 98.425,43.815 102.23,43.815 RJ3.P3
PHY2_MDIA_P: RJ3.P2 U1.16 | length 18.6
  Top Layer w0.15: U1.16 96.774,53.334 96.774,44.958 98.933,42.799 RJ3.P2
PHY2_MDIB_N: RJ3.P7 U1.19 | length 18.4
  Top Layer w0.15: U1.19 97.893,52.756 97.893,51.078 99.258,49.713 104.46,49.713 RJ3.P7
PHY2_MDIB_P: RJ3.P4 U1.18 | length 19.3
  Top Layer w0.15: U1.18 97.536,52.965 97.536,50.927 99.06,49.403 103.417,49.403 105.029,47.791 105.029,42.903 RJ3.P4
PHY2_MDIC_N: RJ3.P6 U1.22 | length 20
  Top Layer w0.15: U1.22 98.777,51.943 98.767,51.943 98.767,51.347 99.568,50.546 106.299,50.546 v1(107.315,49.53)
  Bottom Layer w0.15: v1(107.315,49.53) 107.382,49.463 107.382,42.882 RJ3.P6
PHY2_MDIC_P: RJ3.P5 U1.21 | length 17
  Top Layer w0.15: U1.21 98.298,52.029 98.298,51.181 99.314,50.165 105.156,50.165 v1(106.172,49.149)
  Bottom Layer w0.15: v1(106.172,49.149) 106.233,49.088 106.233,45.4 RJ3.P5
PHY2_MDID_N: RJ3.P9 U1.24 | length 13.4
  Top Layer w0.15: U1.24 104.997,52.189 105.945,52.189 111.374,46.76 RJ3.P9
PHY2_MDID_P: RJ3.P8 U1.23 | length 15.2
  Top Layer w0.15: U1.23 104.742,51.879 105.652,51.879 110.005,47.526 RJ3.P8
PHY3_LED_0: R4.2 R27.2 U1.68 | length 87.3
  Top Layer w0.15: U1.68 100.168,67.766 100.168,68.672 100.584,69.088 101.854,69.088 102.713,69.947 106.813,69.947 106.91,69.85 v1(109.22,69.85) ; v1(113.919,70.739) 114.584,70.074 R4.2
  Bottom Layer w0.15: v1(109.22,69.85) 113.03,69.85 v1(113.919,70.739) 131.193,70.739 135.154,66.778 135.154,35.586 132.969,33.401 R27.2
PHY3_LED_1: R3.2 RJ4.11 RJ4.13 U1.67 | length 94.8
  Top Layer w0.15: U1.67 100.478,68.022 100.478,68.326 100.796,68.644 102.044,68.644 103.038,69.637 106.684,69.637 106.979,69.342 v1(108.458,69.342) ; v1(113.919,69.977) 114.752,69.144 118.491,69.144 118.745,69.398 R3.2 ; RJ4.11 121.091,29.337 127.575,29.337 RJ4.13 127.635,33.461 v1(127.635,36.322)
  Bottom Layer w0.15: v1(108.458,69.342) 113.157,69.342 113.792,69.977 v1(113.919,69.977) 131.064,69.977 134.493,66.548 134.493,43.18 v1(127.635,36.322)
PHY3_MDIA_N: RJ4.P3 U1.27 | length 25
  Top Layer w0.15: U1.27 106.075,52.809 106.202,52.809 115.958,43.053 119.964,43.053 122.184,45.272 RJ4.P3
PHY3_MDIA_P: RJ4.P2 U1.26 | length 23
  Top Layer w0.15: U1.26 105.819,52.499 106.073,52.499 115.84,42.732 RJ4.P2
PHY3_MDIB_N: RJ4.P7 U1.29 | length 27.9
  Top Layer w0.15: U1.29 109.977,50.038 122.428,50.038 127.112,45.354 127.421,45.354 RJ4.P7
PHY3_MDIB_P: RJ4.P4 U1.28 | length 27.9
  Top Layer w0.15: U1.28 109.792,49.657 121.158,49.657 123.571,47.244 123.571,42.755 RJ4.P4
PHY3_MDIC_N: RJ4.P6 U1.32 | length 31
  Top Layer w0.15: U1.32 110.277,51.435 124.079,51.435 v1(126.111,49.403)
  Bottom Layer w0.15: v1(126.111,49.403) 126.122,49.392 126.122,42.744 RJ4.P6
PHY3_MDIC_P: RJ4.P5 U1.31 | length 27.5
  Top Layer w0.15: U1.31 110.092,51.054 123.317,51.054 v1(124.968,49.403)
  Bottom Layer w0.15: RJ4.P5 124.965,45.275 124.965,49.4 v1(124.968,49.403)
PHY3_MDID_N: RJ4.P9 U1.34 | length 30.6
  Top Layer w0.15: U1.34 110.647,52.197 124.714,52.197 130.043,46.868 RJ4.P9
PHY3_MDID_P: RJ4.P8 U1.33 | length 32.3
  Top Layer w0.15: U1.33 110.462,51.816 124.46,51.816 128.651,47.625 128.651,42.755 RJ4.P8
PHY4_LED_0: R1.2 R25.2 U1.65 | length 81.3
  Top Layer w0.15: U1.65 104.538,69.017 106.427,69.017 107.245,68.199 v1(108.331,68.199) ; v1(113.919,68.453) 120.904,68.453 122.037,69.586 122.037,70.094 R1.2 ; v1(130.556,68.326) v1(135.382,68.326)
  Bottom Layer w0.15: v1(108.331,68.199) 113.656,68.199 113.91,68.453 v1(113.919,68.453) 130.334,68.453 130.461,68.326 v1(130.556,68.326) ; v1(135.382,68.326) 135.382,67.679 135.774,67.286 135.774,41.645 136.525,40.894 137.795,40.894 142.001,36.688 R25.2
PHY4_LED_1: R2.2 RJ5.11 RJ5.13 U1.66 | length 92.8
  Top Layer w0.15: U1.66 104.282,69.327 106.556,69.327 107.176,68.707 v1(109.093,68.707) ; v1(113.919,69.215) 114.3,68.834 119.761,68.834 120.396,69.469 R2.2 ; v1(131.064,68.961) v1(134.747,68.961) ; RJ5.11 140.395,29.21 146.668,29.21 RJ5.13@148.844,31.386
  Top Layer w0.4: RJ5.13@148.844,31.386 RJ5.13
  Bottom Layer w0.15: v1(109.093,68.707) 113.411,68.707 v1(113.919,69.215) 130.81,69.215 v1(131.064,68.961) ; v1(134.747,68.961) 134.747,67.875 135.464,67.158 135.464,37.269 138.176,34.557 RJ5.11
PHY4_MDIA_N: RJ5.P2 U1.44 | length 44.7
  Top Layer w0.15: U1.44 113.001,55.499 136.906,55.499 v1(140.081,52.324)
  Bottom Layer w0.15: v1(140.081,52.324) 140.081,42.882 RJ5.P2
PHY4_MDIA_P: RJ5.P3 U1.43 | length 42.1
  Top Layer w0.15: U1.43 113.01,54.925 136.083,54.925 141.605,49.403 141.605,45.278 RJ5.P3
PHY4_MDIB_N: RJ5.P4 U1.46 | length 48.6
  Top Layer w0.15: U1.46 108.44,62.171 109.66,62.171 115.443,56.388 138.684,56.388 v1(142.748,52.324)
  Bottom Layer w0.15: v1(142.748,52.324) 142.759,52.313 142.759,42.744 RJ5.P4
PHY4_MDIB_P: RJ5.P7 U1.45 | length 46.4
  Top Layer w0.15: U1.45 108.683,61.849 109.347,61.849 115.189,56.007 137.541,56.007 146.685,46.863 146.685,45.278 RJ5.P7
PHY4_MDIC_N: RJ5.P5 U1.49 | length 50.9
  Top Layer w0.15: U1.49 108.254,63.683 112.212,63.683 118.618,57.277 141.986,57.277 v1(144.145,55.118)
  Bottom Layer w0.15: RJ5.P5 144.142,45.275 144.142,55.115 v1(144.145,55.118)
PHY4_MDIC_P: RJ5.P6 U1.48 | length 52.6
  Top Layer w0.15: U1.48 108.51,63.373 111.887,63.373 118.491,56.769 140.97,56.769 145.166,52.573 145.166,52.541 145.288,52.419 v1(145.288,52.324)
  Bottom Layer w0.15: v1(145.288,52.324) 145.299,52.313 145.299,42.744 RJ5.P6
PHY4_MDID_N: RJ5.P8 U1.51 | length 57.6
  Top Layer w0.15: U1.51 107.743,64.303 112.735,64.303 118.999,58.039 144.145,58.039 v1(147.955,54.229)
  Bottom Layer w0.15: RJ5.P8 147.903,42.785 147.903,54.177 v1(147.955,54.229)
PHY4_MDID_P: RJ5.P9 U1.50 | length 54.1
  Top Layer w0.15: U1.50 107.999,63.993 112.41,63.993 118.745,57.658 142.875,57.658 149.22,51.313 RJ5.P9
RESET: C13.1 R17.2 RESET.1 U1.80 | length 24.3
  Top Layer w0.15: C13.1 86.188,71.113 86.188,68.938 86.482,68.643 RESET.1@86.482,68.254 ; RESET.1@86.2,67.972 RESET.1@86.482,68.254 ; R17.2 89.664,72.754 89.664,71.436 RESET.1@89.381,71.153 ; v1(94.234,66.04) 95.262,65.012 96.134,65.012 U1.80 ; v1(95.377,67.193) 95.367,67.193 91.407,71.153 RESET.1@89.381,71.153 ; RESET.1@86.482,68.254 RESET.1@89.381,71.153
  Bottom Layer w0.15: v1(94.234,66.04) 95.377,67.183 v1(95.377,67.193)
UART_RX: H1.5 U1.54 | length 10.7
  Top Layer w0.15: U1.54 111.76,70.017 H1.5
UART_TX: H1.3 U1.55 | length 9.7
  Top Layer w0.15: U1.55 109.76,68.582 H1.3
VCC1V: C7.1 C10.1 C12.2 C19.1 C20.1 C21.1 R13.2 R20.2 U1.10 U1.20 U1.30 U1.38 U1.41 U1.47 U1.53 U1.60 U1.64 U1.88 U3.2 U3.4 | length 134.7
  Top Layer w0.15: v2(94.107,61.087) 94.107,61.507 94.449,61.849 94.772,61.849 U1.88 ; v2(96.774,56.769) 96.792,56.787 96.833,56.787 U1.10 ; v2(98.25,52.578) 98.276,52.578 98.324,52.626 98.346,52.626 v2(99.949,54.229) 99.949,54.246 U1.20 ; U1.64 104.793,68.707 105.918,68.707 106.426,68.199 106.426,66.135 106.172,65.881 v1(106.172,65.786) ; U1.60 104.576,66.227 104.708,66.227 v1(104.775,66.294) ; U1.30 104.884,55.697 104.884,55.644 v2(104.902,55.626) ; U1.53 106.005,63.705 106.807,64.507 v2(106.807,64.516) ; U1.38 106.571,58.532 107.188,57.915 v2(107.188,57.912) ; U1.41 107.932,58.871 107.932,58.819 v2(107.95,58.801) ; U1.47 108.441,62.738 v1(110.998,62.738)
  Top Layer w0.245: v1(117.348,60.833) 117.348,60.198 119.126,58.42 142.494,58.42 R20.2 148.78,60.071 U3.4 ; C21.1 146.298,69.357 U3.2@148.971,66.684 ; U3.2 U3.2@148.971,66.684 ; C20.1 C19.1 153.162,58.689 153.162,68.453 152.273,69.342 149.733,69.342 148.971,68.58 U3.2@148.971,66.684
  Bottom Layer w0.15: v2(94.107,61.087) 96.774,58.42 v2(96.774,56.769) ; C7.1 96.091,56.086 v2(96.774,56.769) ; v2(98.25,52.578) 98.25,53.677 97.448,54.48 97.448,56.095 v2(96.774,56.769) ; R13.2 101.122,51.202 101.618,51.699 101.618,52.137 102.247,52.765 102.247,53.709 v2(101.727,54.229) v2(99.949,54.229) 101.346,55.626 v2(104.902,55.626) 104.902,56.769 106.045,57.912 v2(107.188,57.912) 107.188,58.547 107.442,58.801 v2(107.95,58.801) ; v1(104.775,66.294) 104.798,66.271 105.665,66.271 106.15,65.786 v1(106.172,65.786) ; v2(106.807,64.516) 107.631,64.516 108.139,65.024 v1(108.712,65.024)
  Bottom Layer w0.245: v1(106.172,65.786) 107.95,65.786 v1(108.712,65.024) v1(110.998,62.738) ; v2@107.164,57.936 v2(107.188,57.912) ; v2(107.95,58.801) 108.533,59.384 109.011,59.384 C10.1 110.998,61.371 v1(110.998,62.738) ; C12.2 117.348,61.946 v1(117.348,60.833) 112.903,60.833 v1(110.998,62.738)
VCC3V3: C6.1 C9.1 C11.2 C16.1 C17.1 C18.1 R5.1 R6.1 R7.1 R12.1 R17.1 R22.2 U1.5 U1.25 U1.35 U1.40 U1.42 U1.52 U1.63 U1.77 U1.83 U2.2 U3.3 | length 305.4
  Top Layer w0.15: U2.2@72.898,59.436 U2.2 73.533,57.023 87.858,57.023 89.255,55.626 v2(89.281,55.626) ; U2.2@73.357,59.895 76.151,59.895 80.518,64.262 89.916,64.262 91.948,66.294 93.155,66.294 U1.83 ; U2.2@73.611,60.149 76.086,60.149 80.453,64.516 89.789,64.516 91.887,66.614 94.524,66.614 94.741,66.398 96.848,66.398 97.44,65.806 97.44,65.403 U1.77 ; v2@90.061,53.231 90.322,53.231 91.314,54.224 91.805,54.224 91.848,54.181 C6.1 92.964,54.864 92.964,55.746 U1.5 ; U1.25 102.894,54.849 103.505,54.238 v2(103.505,54.229) ; U1.63 104.597,67.945 105.83,67.945 105.918,67.857 105.918,66.421 v1(105.283,65.786) ; U1.35 106.245,57.164 106.245,57.132 v2(106.263,57.114) ; U1.52 107.545,64.67 107.545,65.116 v1(107.575,65.145) ; U1.40 107.569,58.668 v2(107.569,58.42) ; U1.42 112.886,54.483 v2(119.761,54.483)
  Top Layer w0.245: U2.2@72.898,59.436 U2.2@73.152,59.69 ; U2.2@73.914,60.452 75.946,60.452 79.502,64.008 79.502,67.058 79.255,67.306 78.744,67.306 C17.1 77.201,68.849 R12.1 77.216,69.865 v1(77.216,72.136) 77.953,72.136 79.629,73.812 89.906,73.812 R17.1 ; U2.2@74.295,60.833 75.692,60.833 78.486,63.627 C16.1 ; v1(107.575,65.145) v1(108.591,66.161) ; v1(117.348,64.77) 117.875,64.77 124.46,71.355 v1(124.46,73.152) ; R22.2 144.907,67.818 v1(144.907,66.167) 146.48,66.167 U3.3
  Top Layer w0.3: U2.2 C18.1 C18.1@80.844,58.547 ; U2.2@73.152,59.69 73.357,59.895 73.611,60.149 73.914,60.452 U2.2@74.295,60.833
  Bottom Layer w0.15: v2(103.505,54.229) 104.011,54.229 106.299,56.517 106.299,56.753 106.281,56.77 106.281,57.096 v2(106.263,57.114) ; v2@106.299,57.15 106.932,57.15 107.569,57.787 v2(107.569,58.42)
  Bottom Layer w0.245: v1(77.216,72.136) 79.756,74.676 100.106,74.676 ; v2(89.281,55.626) 90.043,54.864 v2(90.043,53.213) ; R5.1 103.408,71.374 R6.1 102.314,72.438 R7.1 101.092,73.69 100.106,74.676 ; v1(105.283,65.786) 105.924,65.145 v1(107.575,65.145) ; v2(107.569,58.42) 107.696,58.293 C9.1 109.145,58.293 109.399,58.547 109.982,58.547 114.046,54.483 v2(119.761,54.483) 121.285,56.007 121.285,63.881 v1(119.126,66.04) ; v1(108.591,66.161) 108.639,66.113 108.639,65.859 110.109,64.389 116.967,64.389 v1(117.348,64.77) 117.348,63.53 C11.2 ; v1(144.907,66.167) 137.896,73.178 107.363,73.178 105.866,74.676 100.106,74.676
VCC5V: F1.2 F2.2 H1.7 U2.3 | length 101.4
  Top Layer w0.4: F1.2 73.469,65.087 72.136,63.754 62.103,63.754 61.087,62.738 61.087,57.531 62.611,56.007 64.815,56.007 U2.3 64.867,56.515 62.992,56.515 61.722,57.785 61.722,62.23 62.611,63.119 73.787,63.119 75.438,64.77 75.438,71.691 73.406,73.724 F2.2 73.787,74.295 102.489,74.295 106.299,70.485 v1(108.839,70.485)
  Bottom Layer w0.4: v1(108.839,70.485) 112.109,70.485 H1.7
XTALI: C14.1 U1.79 X1.1 | length 75.3
  Top Layer w0.15: v1(92.329,64.008) 92.329,62.103 v1(94.107,60.325) ; v1(95.504,65.532) 96.18,65.532 U1.79 ; v1(96.647,42.926) 98.368,42.926 98.947,42.347 100.02,42.347 101.665,40.702 112.203,40.702 v1(114.3,42.799) ; v1(122.936,60.579) 123.571,61.214 123.571,62.455 X1.1 124.079,62.541 124.079,60.818 C14.1
  Bottom Layer w0.15: v1(92.329,64.008) 93.472,65.151 95.123,65.151 v1(95.504,65.532) ; v1(94.107,60.325) 94.107,45.466 v1(96.647,42.926) ; v1(114.3,42.799) 116.586,45.085 116.586,50.165 122.936,56.515 v1(122.936,60.579)
XTALO: C15.2 U1.78 X1.3 | length 85.5
  Top Layer w0.15: v1(96.647,42.037) 99.806,42.037 101.584,40.259 112.522,40.259 v1(114.173,41.91) ; v1(96.647,65.913) 96.714,65.846 96.714,65.564 U1.78 ; C15.2 125.857,66.436 125.857,64.713 X1.3 126.082,64.516 v1(131.572,64.516)
  Bottom Layer w0.15: v1(96.647,42.037) 96.639,42.045 96.131,42.045 93.599,44.577 93.599,61.214 96.647,64.262 v1(96.647,65.913) ; v1(114.173,41.91) 117.094,44.831 117.094,50.038 v1(131.572,64.516)
pads on no net: H1.2 H1.4 H1.6 H1.8 RJ1. RJ2. RJ3. RJ4. RJ5. U1.39 U1.56 U1.57 U1.58 U1.59 U1.76 U1.82
copper on no net: | length 291.1
  Top Layer w0.254: 59.563,25.146 154.178,25.146 154.178,76.073 59.563,76.073 59.563,25.146

## Polygon pours and split planes (outlines as drawn)
GND on Top Layer "GND_L01_P001" (solid, pour order 1): 59.563,76.073 154.178,76.073 154.178,25.146 59.563,25.146
GND on Bottom Layer "GND_L02_P002" (solid, pour order 2): 59.563,76.073 154.178,76.073 154.178,25.146 59.563,25.146

## Silkscreen, mask and mechanical layers (free items; w line width, h text height)
Mechanical 1:
  lines w1.2: 59.563,25.146 59.563,75.946 154.178,75.946 154.178,25.146 59.563,25.146